# Allegro board 8880F5-0827_txbegin.brd (continued)
## Placement (name value [footprint] x y rotation side) (continued)
K29  G6K-2F-RF-T-5V-SPECIAL  [RL_G6K2FRT_8P_5V_GR]  171.7 260.35 270 bottom
K30  G6K-2F-RF-T-5V-SPECIAL  [RL_G6K2FRT_8P_5V_GR]  171.7 246.63 270 bottom
K31  EC2-5NJ-A  [RL_NECEC2_10P_5V]  196.34 276.86 90 bottom
K33  NC/UA2-5NJ-A-V3  [RL_NECUA2_5V_V3]  123.7 237.24 180 bottom
K34  EC2-5NJ-A  [RL_NECEC2_10P_5V]  180.34 293.37 90 bottom
K36  EC2-5NJ-A  [RL_NECEC2_10P_5V]  123.19 292.1 90 bottom
K37  EC2-5NJ-A  [RL_NECEC2_10P_5V]  163.83 293.37 90 bottom
K39  EC2-5NJ-A  [RL_NECEC2_10P_5V]  180.34 276.86 90 bottom
K40  EC2-5NJ-A  [RL_NECEC2_10P_5V]  196.34 293.37 90 bottom
K42  EC2-5NJ-A  [RL_NECEC2_10P_5V]  163.83 276.86 90 bottom
K43  G6K-2F-RF-T-5V-SPECIAL  [RL_G6K2FRT_8P_5V_GR]  269.49 276.1 180 bottom
LD902  LDG-2-S8  [LED_0805]  36.83 130.81 90 top
LOGO1  -  [LOGO_KT_KSMT]  538.48 154.94 0 top
LOGO2  LOGO_HX_Himax  [LOGO_HX_HIMAX]  518.16 138.43 0 top
LQFP176-20X20-P0.4  REF-CODE-CHIP  [CHIP_CODE]  559.05 282.19 0 top
NOREF  -  []  343.63 163.82 90 top
NOREF#2  -  []  247.25 205.56 90 top
NOREF#3  -  []  220.36 188.49 0 top
NOREF#4  -  []  461.96 166.93 0 top
NOREF#5  -  []  330.73 205.56 0 top
NOREF#6  -  []  263.85 273.37 90 top
NOREF#7  -  []  216.96 240.71 0 top
NOREF#8  -  []  324.9 288.91 90 top
NOREF#9  -  []  310.43 248.88 90 top
NOREF#10  -  []  388.43 180.15 0 top
NOREF#11  -  []  415.61 185.72 90 top
NOREF#12  -  []  394.46 129.99 90 top
NOREF#13  -  []  252.83 264.65 90 top
NOREF#14  -  []  237.57 209.63 90 top
NOREF#15  -  []  184.47 229.07 90 top
NOREF#16  -  []  166.06 135.19 90 top
NOREF#17  -  []  36.1 131.91 0 top
NOREF#18  -  []  300.36 177.06 0 top
NOREF#19  -  []  229.51 186.66 0 top
NOREF#20  -  []  106.11 234.24 0 top
NOREF#21  -  []  396.55 241.11 0 top
NOREF#22  -  []  342.36 223.82 90 top
NOREF#23  -  []  266.74 272.1 0 top
NOREF#24  -  []  304.65 211.67 0 top
NOREF#25  -  []  369.38 241.11 0 top
NOREF#26  -  []  128.05 271.33 90 top
NOREF#27  -  []  272.66 288.86 90 top
NOREF#28  -  []  341.63 233.83 90 top
NOREF#29  -  []  209.23 189.02 90 top
NOREF#30  -  []  272.25 244.23 0 top
NOREF#31  -  []  215.96 237.06 0 top
NOREF#32  -  []  155.57 272.6 90 top
NOREF#33  -  []  332.51 205.56 90 top
NOREF#34  -  []  310.43 249.52 0 top
NOREF#35  -  []  451.68 214.96 0 top
NOREF#36  -  []  296.96 252.14 0 top
NOREF#37  -  []  256.45 224.74 0 top
NOREF#38  -  []  201.23 187.92 90 top
NOREF#39  -  []  200.98 256.5 90 top
NOREF#40  -  []  419.47 273.37 90 top
NOREF#41  -  []  201.23 227.72 90 top
NOREF#42  -  []  251.62 265.56 90 top
NOREF#43  -  []  303.56 245.29 90 top
NOREF#44  -  []  412.79 209.16 90 top
NOREF#45  -  []  342.36 163.82 90 top
NOREF#46  -  []  251.62 265.56 0 top
NOREF#47  -  []  310.41 186.34 90 top
NOREF#48  -  []  199.84 175.58 90 top
NOREF#49  -  []  273.59 272.15 90 top
NOREF#50  -  []  377.32 188.15 0 top
NOREF#51  -  []  251.06 223.82 90 top
NOREF#52  -  []  405.93 224.66 90 top
NOREF#53  -  []  389.7 209.36 0 top
NOREF#54  -  []  393.74 131.34 90 top
NOREF#55  -  []  250.17 165.04 90 top
NOREF#56  -  []  251.05 264.65 90 top
NOREF#57  -  []  184.47 147.28 90 top
NOREF#58  -  []  118.33 273.87 90 top
NOREF#59  -  []  201.23 215.35 90 top
NOREF#60  -  []  461.86 230.75 0 top
NOREF#61  -  []  175.7 175.56 90 top
NOREF#62  -  []  119.95 195.15 0 top
NOREF#63  -  []  299.59 288.86 90 top
NOREF#64  -  []  271.04 241.69 0 top
NOREF#65  -  []  254.29 264.35 90 top
NOREF#66  -  []  192.47 195.52 90 top
NOREF#67  -  []  209.23 202.99 90 top
NOREF#68  -  []  396.55 241.11 0 top
NOREF#69  -  []  425.2 161.74 90 top
NOREF#70  -  []  393.19 271.21 90 top
NOREF#71  -  []  388.43 180.15 0 top
NOREF#72  -  []  106.76 222.88 0 top
NOREF#73  -  []  127.59 211.59 90 top
NOREF#74  -  []  313.77 146.05 90 top
NOREF#75  -  []  310.43 193.37 90 top
NOREF#76  -  []  352.55 242.64 0 top
NOREF#77  -  []  118.45 226.62 90 top
NOREF#78  -  []  168.13 227.17 90 top
NOREF#79  -  []  311.15 219.63 90 top
NOREF#80  -  []  331.62 265.56 90 top
NOREF#81  -  []  309.21 246.34 0 top
NOREF#82  -  []  184.47 260.9 90 top
NOREF#83  -  []  413.75 171.64 0 top
NOREF#84  -  []  326.17 131.69 90 top
NOREF#85  -  []  377.48 273.16 90 top
NOREF#86  -  []  110.47 178.64 0 top
NOREF#87  -  []  292.74 296.86 0 top
NOREF#88  -  []  226.27 216.63 90 top
NOREF#89  -  []  372.72 161.49 0 top
NOREF#90  -  []  309.21 247.61 0 top
NOREF#91  -  []  275.28 290.13 90 top
NOREF#92  -  []  410.52 241.11 0 top
NOREF#93  -  []  229.21 188.88 0 top
NOREF#94  -  []  263.71 288.86 0 top
NOREF#95  -  []  175.8 133.97 90 top
NOREF#96  -  []  412.62 249.11 0 top
NOREF#97  -  []  231.15 159.63 90 top
NOREF#98  -  []  209.23 209.49 90 top
NOREF#99  -  []  222.11 240.71 0 top
NOREF#100  -  []  230.43 253.37 90 top
NOREF#101  -  []  383.09 224.85 0 top
NOREF#102  -  []  184.47 206.29 90 top
NOREF#103  -  []  271.34 183.91 0 top
NOREF#104  -  []  373.93 297.12 0 top
NOREF#105  -  []  473.6 206.05 90 top
NOREF#106  -  []  339.65 265.86 90 top
NOREF#107  -  []  250.73 265.56 90 top
NOREF#108  -  []  371.48 224.6 0 top
NOREF#109  -  []  392.04 257.11 90 top
NOREF#110  -  []  254.29 265.56 0 top
NOREF#111  -  []  411.26 163.19 90 top
NOREF#112  -  []  483.17 130.26 90 top
NOREF#113  -  []  209.33 201.79 90 top
NOREF#114  -  []  117.33 247.35 90 top
NOREF#115  -  []  172.08 291.65 90 top
NOREF#116  -  []  296.96 180.71 0 top
NOREF#117  -  []  405.93 288.57 90 top
NOREF#118  -  []  246.63 142.04 0 top
NOREF#119  -  []  459.28 236.14 0 top
NOREF#120  -  []  405.51 209.61 0 top
NOREF#121  -  []  451.64 222.5 0 top
NOREF#122  -  []  310.43 193.37 90 top
NOREF#123  -  []  184.47 200.54 0 top
NOREF#124  -  []  317.98 165.04 90 top
NOREF#125  -  []  384.17 180.15 90 top
NOREF#126  -  []  471.11 186.77 0 top
NOREF#127  -  []  235.85 288.61 90 top
NOREF#128  -  []  423.61 188.92 90 top
NOREF#129  -  []  253.4 265.56 0 top
NOREF#130  -  []  200.98 260.9 90 top
NOREF#131  -  []  328.96 224.74 0 top
NOREF#132  -  []  475.36 127 90 top
NOREF#133  -  []  167.7 159.65 90 top
NOREF#134  -  []  192.57 242.68 90 top
NOREF#135  -  []  271.31 288.86 0 top
NOREF#136  -  []  209.23 250.38 90 top
NOREF#137  -  []  352.55 183.91 0 top
NOREF#138  -  []  392.73 171.64 0 top
NOREF#139  -  []  241.82 227.13 90 top
NOREF#140  -  []  249.85 224.74 0 top
NOREF#141  -  []  209.49 162.1 90 top
NOREF#142  -  []  263.95 223.52 90 top
NOREF#143  -  []  416.03 179.42 90 top
NOREF#144  -  []  167.7 231.27 90 top
NOREF#145  -  []  184.47 215.35 90 top
NOREF#146  -  []  420.62 239.21 90 top
NOREF#147  -  []  394 217.36 0 top
NOREF#148  -  []  412.6 161.74 0 top
NOREF#149  -  []  327.25 205.56 90 top
NOREF#150  -  []  352.25 244.86 90 top
NOREF#151  -  []  240.94 211.63 90 top
NOREF#152  -  []  286.12 288.86 90 top
NOREF#153  -  []  341.63 173.83 90 top
NOREF#154  -  []  128.05 273.87 90 top
NOREF#155  -  []  392.47 240.56 90 top
NOREF#156  -  []  167.7 229.07 90 top
NOREF#157  -  []  479.44 195.66 0 top
NOREF#158  -  []  250.73 204.35 90 top
NOREF#159  -  []  273.81 286.96 90 top
NOREF#160  -  []  272.25 241.69 0 top
NOREF#161  -  []  229.51 247.93 0 top
NOREF#162  -  []  397.8 146.33 90 top
NOREF#163  -  []  254.61 265.86 90 top
NOREF#164  -  []  300.36 188.49 0 top
NOREF#165  -  []  388.43 180.15 0 top
NOREF#166  -  []  106.29 174.19 90 top
NOREF#167  -  []  367.48 242.38 90 top
NOREF#168  -  []  343.83 231.63 90 top
NOREF#169  -  []  261.16 135.74 90 top
NOREF#170  -  []  239.33 183.63 90 top
NOREF#171  -  []  271.34 181.37 0 top
NOREF#172  -  []  337.9 246.35 90 top
NOREF#173  -  []  396.03 163.64 0 top
NOREF#174  -  []  265.64 280.1 0 top
NOREF#175  -  []  167.7 178.86 90 top
NOREF#176  -  []  449.99 217.9 0 top
NOREF#177  -  []  124.1 238.84 0 top
NOREF#178  -  []  343.95 223.52 90 top
NOREF#179  -  []  260.6 286.96 90 top
NOREF#180  -  []  172.08 275.14 90 top
NOREF#181  -  []  352.55 181.37 0 top
NOREF#182  -  []  511.59 291.28 90 top
NOREF#183  -  []  346.27 132.97 90 top
NOREF#184  -  []  168.13 172.56 90 top
NOREF#185  -  []  119.95 187.53 0 top
NOREF#186  -  []  230.73 243.41 0 top
NOREF#187  -  []  106.36 190.55 0 top
NOREF#188  -  []  352.24 189.18 90 top
NOREF#189  -  []  165.8 240.28 0 top
NOREF#190  -  []  418.37 241.16 90 top
NOREF#191  -  []  84.04 290.38 90 top
NOREF#192  -  []  194.09 214.75 90 top
NOREF#193  -  []  334.61 204.65 90 top
NOREF#194  -  []  272.25 184.86 90 top
NOREF#195  -  []  303.84 288.86 0 top
NOREF#196  -  []  165.8 158.5 90 top
NOREF#197  -  []  112.41 195.15 0 top
NOREF#198  -  []  386.46 131.89 0 top
NOREF#199  -  []  339.89 288.31 90 top
NOREF#200  -  []  250.49 164.74 90 top
NOREF#201  -  []  326.43 288.41 90 top
NOREF#202  -  []  112.41 214.71 0 top
NOREF#203  -  []  118.96 179.19 0 top
NOREF#204  -  []  217.41 213.24 0 top
NOREF#205  -  []  295.96 188.49 0 top
NOREF#206  -  []  184.47 247.18 90 top
NOREF#207  -  []  456.04 222.5 0 top
NOREF#208  -  []  309.21 243.09 0 top
NOREF#209  -  []  385.93 144.98 0 top
NOREF#210  -  []  127.95 187.53 0 top
NOREF#211  -  []  234.7 286.71 90 top
NOREF#212  -  []  352.25 189.18 90 top
NOREF#213  -  []  184.47 227.72 0 top
NOREF#214  -  []  108.27 171.02 0 top
NOREF#215  -  []  254.29 265.56 90 top
NOREF#216  -  []  313.98 131.09 90 top
NOREF#217  -  []  390.94 273.16 90 top
NOREF#218  -  []  450.03 210.36 0 top
NOREF#219  -  []  277.5 155.38 0 top
NOREF#220  -  []  288.74 290.13 90 top
NOREF#221  -  []  462.06 293.82 90 top
NOREF#222  -  []  415.6 146.88 0 top
NOREF#223  -  []  383.09 257.11 0 top
NOREF#224  -  []  383.09 257.11 0 top
NOREF#225  -  []  184.89 145.38 90 top
NOREF#226  -  []  253.4 205.55 0 top
NOREF#227  -  []  209.23 205.19 90 top
NOREF#228  -  []  247.25 265.56 0 top
NOREF#229  -  []  276.4 147.38 0 top
NOREF#230  -  []  453.88 195.91 0 top
NOREF#231  -  []  399.39 161.74 0 top
NOREF#232  -  []  555.66 300.54 90 top
NOREF#233  -  []  257.9 246.99 0 top
NOREF#234  -  []  279.27 288.86 0 top
NOREF#235  -  []  218.13 214.06 90 top
NOREF#236  -  []  278.6 147.38 0 top
NOREF#237  -  []  155.57 291.65 90 top
NOREF#238  -  []  264.29 143.19 0 top
NOREF#239  -  []  331.62 264.35 90 top
NOREF#240  -  []  310.43 253.37 90 top
NOREF#241  -  []  259.65 265.86 90 top
NOREF#242  -  []  406.94 131.34 90 top
NOREF#243  -  []  118.7 195.7 0 top
NOREF#244  -  []  383.09 273.11 0 top
NOREF#245  -  []  249.85 164.72 0 top
NOREF#246  -  []  352.25 181.05 90 top
NOREF#247  -  []  331.54 192.73 90 top
NOREF#248  -  []  392.47 288.67 90 top
NOREF#249  -  []  295.96 177.06 0 top
NOREF#250  -  []  168.13 240.88 90 top
NOREF#251  -  []  328.01 286.96 0 top
NOREF#252  -  []  112.16 238.84 0 top
NOREF#253  -  []  310.41 253.37 90 top
NOREF#254  -  []  405.17 131.89 0 top
NOREF#255  -  []  230.43 253.37 90 top
NOREF#256  -  []  274.67 286.96 0 top
NOREF#257  -  []  351.34 181.37 0 top
NOREF#258  -  []  385.93 161.74 0 top
NOREF#259  -  []  346.69 128.87 90 top
NOREF#260  -  []  175.7 154.88 90 top
NOREF#261  -  []  310.83 164.63 0 top
NOREF#262  -  []  258.35 288.91 90 top
NOREF#263  -  []  342.63 296.86 0 top
NOREF#264  -  []  230.73 247.93 0 top
NOREF#265  -  []  250.18 182.88 0 top
NOREF#266  -  []  167.7 200.54 0 top
NOREF#267  -  []  372.72 178.25 0 top
NOREF#268  -  []  194.09 160.4 90 top
NOREF#269  -  []  199.33 240.28 90 top
NOREF#270  -  []  272.25 249.82 0 top
NOREF#271  -  []  218.16 237.06 0 top
NOREF#272  -  []  184.47 219.75 90 top
NOREF#273  -  []  383.73 195.88 90 top
NOREF#274  -  []  259.33 264.35 90 top
NOREF#275  -  []  238.3 288.61 0 top
NOREF#276  -  []  93.02 247.21 90 top
NOREF#277  -  []  177.33 255.9 90 top
NOREF#278  -  []  387.39 265.11 0 top
NOREF#279  -  []  425.23 180.72 90 top
NOREF#280  -  []  230.73 193.69 0 top
NOREF#281  -  []  383.09 273.11 0 top
NOREF#282  -  []  118.99 166.5 90 top
NOREF#283  -  []  399.8 207.46 90 top
NOREF#284  -  []  201.23 219.75 90 top
NOREF#285  -  []  230.73 253.69 0 top
NOREF#286  -  []  409.99 146.93 90 top
NOREF#287  -  []  384.59 179.7 90 top
NOREF#288  -  []  367.48 258.38 90 top
NOREF#289  -  []  338.36 288.91 90 top
NOREF#290  -  []  230.43 187.61 90 top
NOREF#291  -  []  401.89 163.64 0 top
NOREF#292  -  []  481.96 276.41 90 top
NOREF#293  -  []  309.51 243.41 0 top
NOREF#294  -  []  184.47 161 90 top
NOREF#295  -  []  310.43 193.37 0 top
NOREF#296  -  []  332.51 265.56 90 top
NOREF#297  -  []  351.34 249.5 0 top
NOREF#298  -  []  306.92 154.05 0 top
NOREF#299  -  []  330.73 265.56 90 top
NOREF#300  -  []  124.35 195.15 0 top
NOREF#301  -  []  192.47 230.17 90 top
NOREF#302  -  []  317.05 288.86 0 top
NOREF#303  -  []  308.36 202.16 45 top
NOREF#304  -  []  272.55 249.5 0 top
NOREF#305  -  []  465.31 186.77 0 top
NOREF#306  -  []  253.72 205.86 90 top
NOREF#307  -  []  409.17 281.37 0 top
NOREF#308  -  []  368.03 265.11 0 top
NOREF#309  -  []  249.6 164.74 90 top
NOREF#310  -  []  209.23 222.95 90 top
NOREF#311  -  []  127.55 219.13 90 top
NOREF#312  -  []  167.7 132.72 90 top
NOREF#313  -  []  107.76 238.84 0 top
NOREF#314  -  []  262.68 163.52 90 top
NOREF#315  -  []  167.7 186.57 90 top
NOREF#316  -  []  310.43 248.88 0 top
NOREF#317  -  []  272.25 184.23 0 top
NOREF#318  -  []  230.43 247.61 0 top
NOREF#319  -  []  201.23 229.07 90 top
NOREF#320  -  []  304.82 146.05 0 top
NOREF#321  -  []  94.93 190.55 0 top
NOREF#322  -  []  66.26 271.33 90 top
NOREF#323  -  []  419.65 256.92 90 top
NOREF#324  -  []  167.7 233.47 90 top
NOREF#325  -  []  247.78 140.14 0 top
NOREF#326  -  []  184.47 190.12 90 top
NOREF#327  -  []  312.25 211.67 90 top
NOREF#328  -  []  277.17 288.86 0 top
NOREF#329  -  []  182.82 148.4 90 top
NOREF#330  -  []  237.83 257.63 0 top
NOREF#331  -  []  250.23 132.14 0 top
NOREF#332  -  []  396.55 257.37 0 top
NOREF#333  -  []  528.1 273.87 90 top
NOREF#334  -  []  327.25 265.55 0 top
NOREF#335  -  []  385.19 273.11 0 top
NOREF#336  -  []  325.92 131.64 0 top
NOREF#337  -  []  385.18 209.11 90 top
NOREF#338  -  []  184.47 151.68 90 top
NOREF#339  -  []  328.96 224.72 0 top
NOREF#340  -  []  211.11 146.93 90 top
NOREF#341  -  []  342.68 224.74 90 top
NOREF#342  -  []  218.13 274.06 90 top
NOREF#343  -  []  394.66 226.38 90 top
NOREF#344  -  []  383.01 139.89 0 top
NOREF#345  -  []  352.25 182.32 90 top
NOREF#346  -  []  329.16 296.86 0 top
NOREF#347  -  []  303.84 288.86 0 top
NOREF#348  -  []  75.98 287.84 90 top
NOREF#349  -  []  294.94 296.86 0 top
NOREF#350  -  []  397.55 209.41 90 top
NOREF#351  -  []  122.15 222.33 0 top
NOREF#352  -  []  237.66 224.72 0 top
NOREF#353  -  []  400.54 188.15 0 top
NOREF#354  -  []  194.09 146.68 90 top
NOREF#355  -  []  175.7 218.65 90 top
NOREF#356  -  []  401.87 139.89 0 top
NOREF#357  -  []  298.16 177.06 0 top
NOREF#358  -  []  167.7 227.72 90 top
NOREF#359  -  []  250.73 205.55 0 top
NOREF#360  -  []  342.04 224.74 0 top
NOREF#361  -  []  256.77 225.04 90 top
NOREF#362  -  []  483.04 239.09 0 top
NOREF#363  -  []  463.11 230.2 0 top
NOREF#364  -  []  495.08 277.31 90 top
NOREF#365  -  []  230.73 249.2 0 top
NOREF#366  -  []  334.29 205.56 90 top
NOREF#367  -  []  404.15 273.11 0 top
NOREF#368  -  []  460.93 225.6 90 top
NOREF#369  -  []  462.06 274.77 90 top
NOREF#370  -  []  331.06 163.82 90 top
NOREF#371  -  []  302.32 144.15 0 top
NOREF#372  -  []  167.7 187.92 90 top
NOREF#373  -  []  377.23 257.16 90 top
NOREF#374  -  []  310.43 253.37 0 top
NOREF#375  -  []  230.43 186.34 0 top
NOREF#376  -  []  482.64 192.46 90 top
NOREF#377  -  []  336.77 223.82 90 top
NOREF#378  -  []  118.74 215.34 0 top
NOREF#379  -  []  110.21 195.15 0 top
NOREF#380  -  []  106.76 215.26 0 top
NOREF#381  -  []  201.49 159.65 0 top
NOREF#382  -  []  301.34 286.96 0 top
NOREF#383  -  []  302.11 240.71 0 top
NOREF#384  -  []  208.98 257.6 90 top
NOREF#385  -  []  381.86 129.99 0 top
NOREF#386  -  []  301.56 182.89 0 top
NOREF#387  -  []  199.59 158.5 0 top
NOREF#388  -  []  209.23 232.37 90 top
NOREF#389  -  []  423.2 146.88 0 top
NOREF#390  -  []  201.4 254.6 90 top
NOREF#391  -  []  167.7 255.15 90 top
NOREF#392  -  []  342.68 223.52 90 top
NOREF#393  -  []  333.72 204.65 90 top
NOREF#394  -  []  230.41 243.09 90 top
NOREF#395  -  []  465.81 179.15 0 top
NOREF#396  -  []  415.6 146.88 0 top
NOREF#397  -  []  185.2 273.5 90 top
NOREF#398  -  []  284.77 288.86 0 top
NOREF#399  -  []  215.96 248.49 0 top
NOREF#400  -  []  401.89 163.64 0 top
NOREF#401  -  []  272.55 189.5 0 top
NOREF#402  -  []  210.86 228.47 90 top
NOREF#403  -  []  412.62 241.11 0 top
NOREF#404  -  []  118.7 222.88 0 top
NOREF#405  -  []  251.62 205.56 0 top
NOREF#406  -  []  377.23 273.11 0 top
NOREF#407  -  []  272.25 242.96 0 top
NOREF#408  -  []  352.24 181.05 90 top
NOREF#409  -  []  398.65 289.12 0 top
NOREF#410  -  []  330.74 164.74 0 top
NOREF#411  -  []  263.31 224.72 0 top
NOREF#412  -  []  272.25 249.18 90 top
NOREF#413  -  []  167.7 215.35 90 top
NOREF#414  -  []  461.86 230.75 0 top
NOREF#415  -  []  333.33 181.33 90 top
NOREF#416  -  []  35.83 132.61 0 top
NOREF#417  -  []  11.6 261.68 90 top
NOREF#418  -  []  375.73 193.43 90 top
NOREF#419  -  []  386.33 207.21 90 top
NOREF#420  -  []  247.25 205.56 0 top
NOREF#421  -  []  330.49 163.52 90 top
NOREF#422  -  []  331.94 264.65 90 top
NOREF#423  -  []  379.73 271.21 90 top
NOREF#424  -  []  175.7 162.1 90 top
NOREF#425  -  []  415.61 181.32 90 top
NOREF#426  -  []  352.25 182.96 0 top
NOREF#427  -  []  392.04 273.11 90 top
NOREF#428  -  []  271.34 189.5 0 top
NOREF#429  -  []  355.89 130.17 90 top
NOREF#430  -  []  394.66 274.38 90 top
NOREF#431  -  []  250.74 224.72 0 top
NOREF#432  -  []  450.03 166.93 0 top
NOREF#433  -  []  184.47 176.66 90 top
NOREF#434  -  []  336.77 165.04 90 top
NOREF#435  -  []  327.7 131.09 90 top
NOREF#436  -  []  244.8 288.61 0 top
NOREF#437  -  []  351.04 182.96 0 top
NOREF#438  -  []  387.08 154.88 0 top
NOREF#439  -  []  209.33 215.25 90 top
NOREF#440  -  []  398.65 265.37 0 top
NOREF#441  -  []  182.82 175.58 90 top
NOREF#442  -  []  310.43 183.09 0 top
NOREF#443  -  []  297.71 216.09 0 top
NOREF#444  -  []  329.28 225.04 90 top
NOREF#445  -  []  410.78 131.89 0 top
NOREF#446  -  []  184.47 256.5 90 top
NOREF#447  -  []  418.38 131.89 0 top
NOREF#448  -  []  406.44 154.88 0 top
NOREF#449  -  []  201.23 231.27 90 top
NOREF#450  -  []  465.31 230.2 0 top
NOREF#451  -  []  412.62 289.12 0 top
NOREF#452  -  []  199.33 185.42 90 top
NOREF#453  -  []  237.66 164.72 0 top
NOREF#454  -  []  251.62 205.55 0 top
NOREF#455  -  []  230.83 164.63 0 top
NOREF#456  -  []  184.47 206.29 90 top
NOREF#457  -  []  310.73 187.93 0 top
NOREF#458  -  []  298.49 288.91 90 top
NOREF#459  -  []  410.27 257.37 0 top
NOREF#460  -  []  194.09 201.29 90 top
NOREF#461  -  []  415.08 139.89 0 top
NOREF#462  -  []  369.63 289.12 0 top
NOREF#463  -  []  263.83 231.63 90 top
NOREF#464  -  []  377.23 224.65 90 top
NOREF#465  -  []  217.41 273.24 90 top
NOREF#466  -  []  337.9 246.99 0 top
NOREF#467  -  []  238.3 224.74 90 top
NOREF#468  -  []  209.08 256.4 90 top
NOREF#469  -  []  221.56 242.89 0 top
NOREF#470  -  []  401.89 163.64 0 top
NOREF#471  -  []  257.9 246.35 90 top
NOREF#472  -  []  277.17 288.86 0 top
NOREF#473  -  []  192.47 243.88 90 top
NOREF#474  -  []  275.3 155.38 0 top
NOREF#475  -  []  35.83 128.17 90 top
NOREF#476  -  []  119.95 222.33 0 top
NOREF#477  -  []  392.04 241.11 90 top
NOREF#478  -  []  406.52 131.89 90 top
NOREF#479  -  []  351.04 181.69 0 top
NOREF#480  -  []  332.61 288.86 0 top
NOREF#481  -  []  369.38 257.11 0 top
NOREF#482  -  []  263.95 224.74 90 top
NOREF#483  -  []  194.09 173.86 90 top
NOREF#484  -  []  272.24 241.05 90 top
NOREF#485  -  []  272.24 244.86 90 top
NOREF#486  -  []  201.49 178.86 90 top
NOREF#487  -  []  239.33 176.03 0 top
NOREF#488  -  []  257.09 224.74 90 top
NOREF#489  -  []  518.38 273.87 90 top
NOREF#490  -  []  338.2 186.67 0 top
NOREF#491  -  []  128.21 178.64 0 top
NOREF#492  -  []  295.96 237.06 0 top
NOREF#493  -  []  336.45 224.72 0 top
NOREF#494  -  []  351.34 183.91 0 top
NOREF#495  -  []  110.21 214.71 0 top
NOREF#496  -  []  251.54 192.73 90 top
NOREF#497  -  []  352.55 182.64 0 top
NOREF#498  -  []  306.92 146.05 0 top
NOREF#499  -  []  194.09 228.47 90 top
NOREF#500  -  []  111.54 290.38 90 top
NOREF#501  -  []  209.49 175.56 90 top
NOREF#502  -  []  277.17 288.86 0 top
NOREF#503  -  []  471.21 168.33 0 top
NOREF#504  -  []  301.56 171.46 0 top
NOREF#505  -  []  404.4 289.17 90 top
NOREF#506  -  []  450.03 191.31 0 top
NOREF#507  -  []  175.7 209.49 90 top
NOREF#508  -  []  501.87 273.87 90 top
NOREF#509  -  []  184.89 254.6 90 top
NOREF#510  -  []  271.04 249.82 0 top
NOREF#511  -  []  314.92 144.15 90 top
NOREF#512  -  []  192.47 191.22 90 top
NOREF#513  -  []  419.9 240.66 90 top
NOREF#514  -  []  107.18 246.83 90 top
NOREF#515  -  []  378.58 289.12 90 top
NOREF#516  -  []  230.43 243.09 0 top
NOREF#517  -  []  257.08 132.19 90 top
NOREF#518  -  []  413.2 164.91 90 top
NOREF#519  -  []  341.63 195.43 90 top
NOREF#520  -  []  395.2 281.11 0 top
NOREF#521  -  []  379.01 288.67 90 top
NOREF#522  -  []  297.83 174.63 90 top
NOREF#523  -  []  352.25 184.86 90 top
NOREF#524  -  []  118.45 239.39 0 top
NOREF#525  -  []  118.96 174.04 90 top
NOREF#526  -  []  251.94 204.65 90 top
NOREF#527  -  []  249.85 164.74 0 top
NOREF#528  -  []  336.45 164.74 0 top
NOREF#529  -  []  412.88 131.89 0 top
NOREF#530  -  []  390.53 171.64 0 top
NOREF#531  -  []  184.89 227.17 90 top
NOREF#532  -  []  199.33 199.39 0 top
NOREF#533  -  []  326 288.86 90 top
NOREF#534  -  []  309.51 246.66 0 top
NOREF#535  -  []  182.57 226.57 90 top
NOREF#536  -  []  451.68 214.96 0 top
NOREF#537  -  []  250.73 265.56 0 top
NOREF#538  -  []  418.37 289.17 90 top
NOREF#539  -  []  201.23 204.09 90 top
NOREF#540  -  []  259.97 204.35 90 top
NOREF#541  -  []  320.83 254.63 0 top
NOREF#542  -  []  394.05 239.21 0 top
NOREF#543  -  []  309.51 249.2 0 top
NOREF#544  -  []  418.12 241.11 0 top
NOREF#545  -  []  317.98 223.82 90 top
NOREF#546  -  []  339.33 204.35 90 top
NOREF#547  -  []  240.83 194.63 0 top
NOREF#548  -  []  184.47 187.92 90 top
NOREF#549  -  []  330.74 164.72 0 top
NOREF#550  -  []  249.28 165.04 90 top
NOREF#551  -  []  230.43 188.88 90 top
NOREF#552  -  []  165.8 226.57 90 top
NOREF#553  -  []  495.08 257.36 90 top
NOREF#554  -  []  528.1 259.9 90 top
NOREF#555  -  []  168.13 199.99 90 top
NOREF#556  -  []  249.6 163.52 90 top
NOREF#557  -  []  119.95 195.15 0 top
NOREF#558  -  []  165.8 144.78 90 top
NOREF#559  -  []  201.21 276.04 90 top
NOREF#560  -  []  250.73 205.56 90 top
NOREF#561  -  []  199.33 240.28 0 top
NOREF#562  -  []  272.24 243.59 90 top
NOREF#563  -  []  209.49 182.06 90 top
NOREF#564  -  []  398.53 161.74 90 top
NOREF#565  -  []  468.68 129.54 0 top
NOREF#566  -  []  380.59 287.22 0 top
NOREF#567  -  []  329.6 224.74 90 top
NOREF#568  -  []  251.38 163.52 90 top
NOREF#569  -  []  518.38 257.36 90 top
NOREF#570  -  []  448.94 273.87 90 top
NOREF#571  -  []  295.19 271.65 90 top
NOREF#572  -  []  352.25 241.05 90 top
NOREF#573  -  []  118.7 182.93 90 top
NOREF#574  -  []  175.8 228.97 90 top
NOREF#575  -  []  418.12 257.42 90 top
NOREF#576  -  []  106.36 190.55 0 top
NOREF#577  -  []  403.99 171.64 0 top
NOREF#578  -  []  184.47 173.11 0 top
NOREF#579  -  []  215.96 177.06 0 top
NOREF#580  -  []  272.25 189.18 90 top
NOREF#581  -  []  386.46 139.89 0 top
NOREF#582  -  []  96.58 195.15 0 top
NOREF#583  -  []  201.23 186.57 0 top
NOREF#584  -  []  369.38 241.11 0 top
NOREF#585  -  []  475.04 239.09 0 top
NOREF#586  -  []  339.97 264.35 90 top
NOREF#587  -  []  422.7 163.64 0 top
NOREF#588  -  []  396.55 273.11 0 top
NOREF#589  -  []  302.71 132.91 90 top
NOREF#590  -  []  263.95 164.74 90 top
NOREF#591  -  []  118.45 239.39 0 top
NOREF#592  -  []  408.63 242.38 90 top
NOREF#593  -  []  339.33 205.55 0 top
NOREF#594  -  []  262.04 164.72 0 top
NOREF#595  -  []  273.95 155.38 0 top
NOREF#596  -  []  263.31 224.74 0 top
NOREF#597  -  []  175.7 177.76 90 top
NOREF#598  -  []  119.7 238.84 0 top
NOREF#599  -  []  122.15 195.15 0 top
NOREF#600  -  []  373.32 181.42 90 top
NOREF#601  -  []  311.44 288.86 0 top
NOREF#602  -  []  175.8 215.25 90 top
NOREF#603  -  []  188.08 289.11 90 top
NOREF#604  -  []  351.04 245.5 0 top
NOREF#605  -  []  109.96 238.84 0 top
NOREF#606  -  []  229.51 183.41 0 top
NOREF#607  -  []  272.24 184.86 90 top
NOREF#608  -  []  390.53 163.64 0 top
NOREF#609  -  []  271.04 244.23 0 top
NOREF#610  -  []  380.53 217.11 0 top
NOREF#611  -  []  215.96 248.49 0 top
NOREF#612  -  []  165.8 144.78 0 top
NOREF#613  -  []  230.41 187.61 90 top
NOREF#614  -  []  118.7 188.08 0 top
NOREF#615  -  []  260.74 135.19 90 top
NOREF#616  -  []  222.11 180.71 0 top
NOREF#617  -  []  167.7 217.55 90 top
NOREF#618  -  []  219.81 273.69 90 top
NOREF#619  -  []  397.57 131.89 0 top
NOREF#620  -  []  175.7 230.17 90 top
NOREF#621  -  []  309.51 189.2 0 top
NOREF#622  -  []  199.59 243.9 90 top
NOREF#623  -  []  396.55 273.11 0 top
NOREF#624  -  []  211.11 173.86 90 top
NOREF#625  -  []  303.15 271.32 90 top
NOREF#626  -  []  251.06 165.04 90 top
NOREF#627  -  []  304.61 131.64 0 top
NOREF#628  -  []  261.63 233.83 90 top
NOREF#629  -  []  229.51 249.2 0 top
